# Altium PCB MP_PCBv2.PcbDoc (part 2 of 2)
Units mil, origin at the board's own origin, x right, y up, seen from the top; angles counter-clockwise.
Board outline 3645 x 2075 mil, 2 copper layers (Top Layer, Bottom Layer); 132 components, 125 nets, 476 pads, 163 vias.
Unrouted connection lines stored in the file: 10.
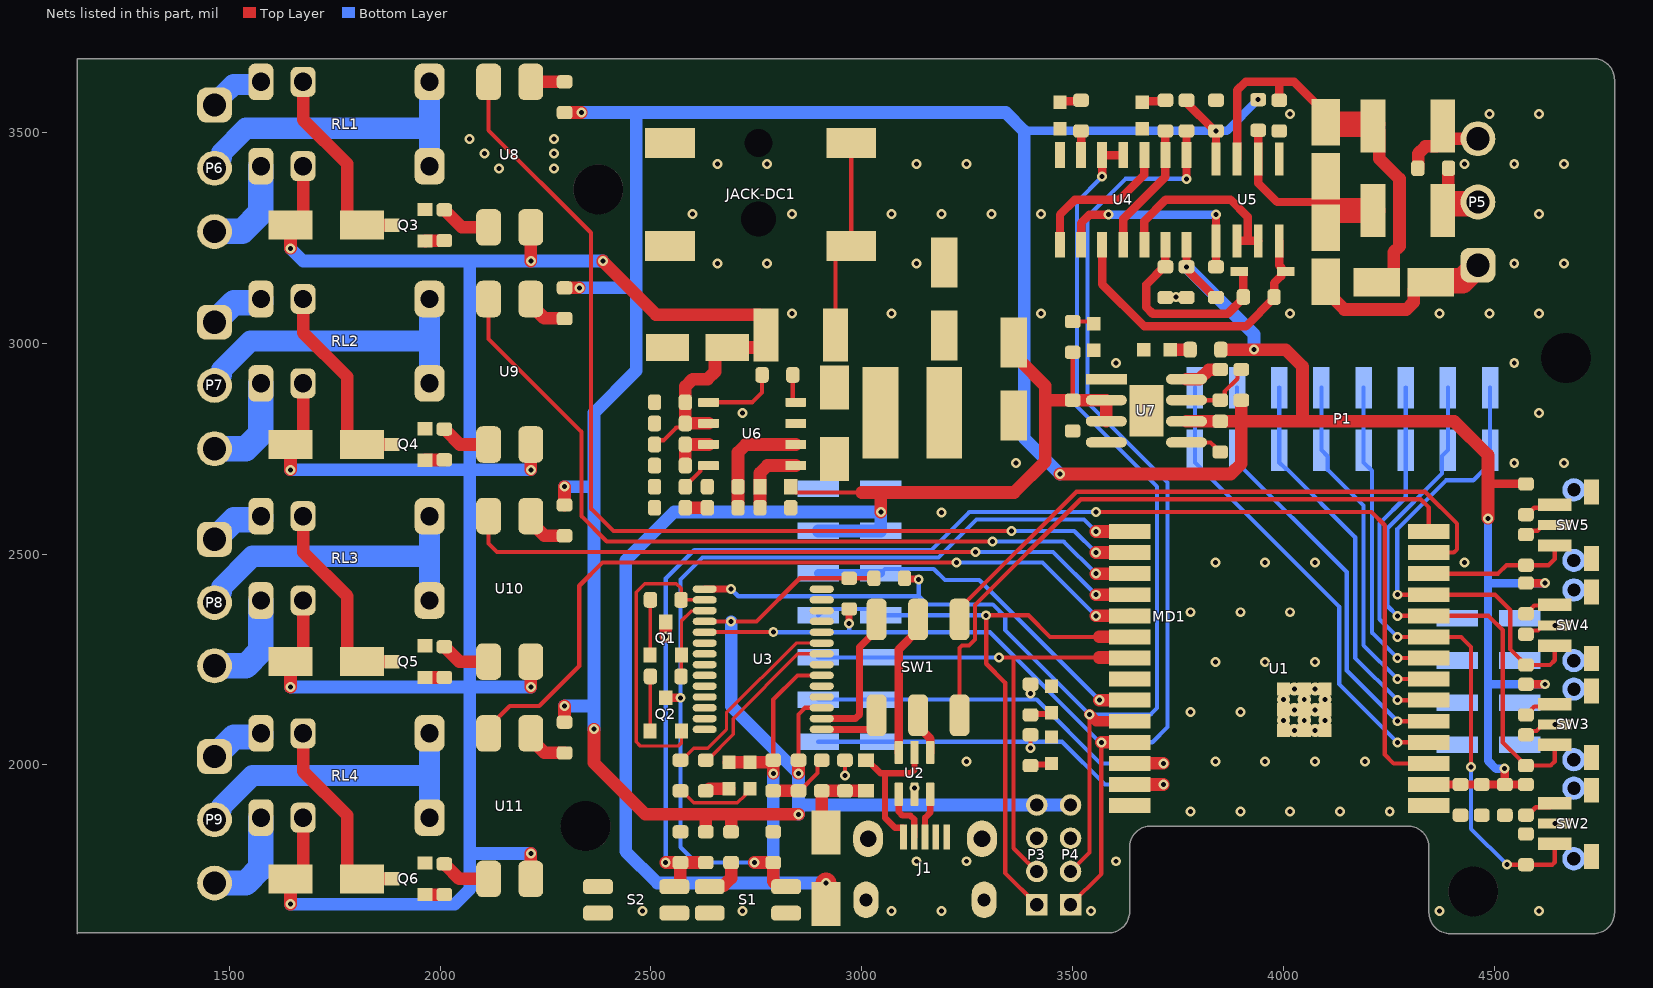
[diagram p2: the nets of this part, all layers, seen from the top]

## Part data (continued)
U2: library part CMP-004-00055-2, "17V Clamp 5A (8/20Âµs) Ipp Tvs Diode Surface Mount SOT-23-6"
U3: library part CMP-015-00000-6, "USB UART IC, -0.5 to 6 V, 24 mA, -40 to 85 degC, 28-Pin SSOP, RoHS, Tape and Reel", Case/Package=SSOP, Manufacturer="Future Technology Devices International (FTDI)", Max Operating Temperature=85°C, Max Supply Voltage=5.25V, Min Operating Temperature=-40°C, Min Supply Voltage=3.3V, Nominal Supply Voltage=5V, Package Quantity=2000, Channels=1, Data Rate=3Mbps, Datasheet URL=http://datasheet.octopart.com/FT232RL-FTDI-datasheet-120501.pdf, Datasheet Version="Rev. 1.04, 02/2006", Interface=UART, Locally Supplier Name=Thegioiic, Locally Supplier URL=https://www.thegioiic.com/ft232rl-ic-usb-to-serial-uart-28-ssop, Manufacturer URL=http://www.ftdichip.com/, Packaging=TapeandReel, Pins=16, RoHS Compliant=True
U4: library part CMP-016-00018-2, "Inverter, 4000/14000/40000 Series, 6-Func, 1-Input, CMOS, PDSO14", Case/Package=SOP, Max Operating Temperature=125°C, Max Supply Voltage=18V, Min Operating Temperature=-55°C, Min Supply Voltage=3V, Nominal Supply Voltage=5V, Logic Type=INVERTER, Pins=14, RoHS Compliant=Yes
U5: library part CMP-015-00010-1, "Line Transceiver, 1 Func, 1 Driver, 1 Rcvr, CMOS, PDSO8", Case/Package=SOP, Max Operating Temperature=70°C, Max Supply Voltage=5.25V, Min Operating Temperature=0°C, Min Supply Voltage=4.75V, Nominal Supply Voltage=5V, Pins=8, RoHS Compliant=Yes
U6: library part CMP-019-00051-4, "Switching Regulator, Current-mode, 2A, 570kHz Switching Freq-Max, PDSO8", Case/Package=SOP, Frequency=740kHz, Max Operating Temperature=150°C, Max Supply Voltage=28V, Min Operating Temperature=-40°C, Locally Supplier Name=Thegioiic, Locally Supplier URL=https://www.thegioiic.com/tps54231dr-ic-dieu-chinh-giam-ap-2a-8-soic, Pins=8, RoHS Compliant=Yes
U7: library part CMP-019-00056-2, "Adjustable Positive LDO Regulator, 0.5V Min, 5V Max, 0.6V Dropout, CMOS, PDSO8", Case/Package=HLSOP, Pins=8, RoHS Compliant=Yes
U8 U9 U10 U11: library part CMP-00026-00001-2, "PC817 series, SMD, I_F (max) = 500mA, V_F (max) = 1.4V."

## Via types
v1: diameter 23.62, hole 11.81, Top Layer to Bottom Layer, tented both sides, 151 vias
v2: diameter 31.5, hole 11.81, Top Layer to Bottom Layer, tented both sides, 12 vias

## Nets (pads, with @x,y where several pads share a name; then routed paths per layer and width w, separated by ;. In a path a pad name is that pad's centre, name@x,y a point inside that pad or via, vN(x,y) a via of type N, cw(c..) or ccw(c..) an arc to the next point about the centre after c; other vN are vias at no path point)
3V3: C1.2 C2.2 C3.2 C10.2 C11.2 C12.2 C24.2 P3.4 P4.4 R1.2 R2.2 R5.2 R6.2 R10.1 R11.1 R13.1 R23.2 R25.2 R26.1 R27.1 R29.1 R30.1 R31.1 R33.1 R34.1 R38.1 U1.2 U3.4 U3.17 U4.14 U5.8 U7.6 | length 10718.9
  Top Layer w10: U3.4@2627.44,2340.31 2627.6,2340.16 2689.84,2340.16 v1(2690,2340) 2750,2340 2852.83,2442.83 R6.2@2970,2442.83 3020.75,2442.83 R5.2@3028.58,2435 ; C10.2@2850,2011.42 2850,2120 2865.59,2135.59 U3.17@2905,2135.59
  Top Layer w20: U4.14@3770,3233.7 v1(3770,3181.42) 3772.95,3181.42 3772.95,3172.68 3831.3,3114.33 3834.25,3114.33 R11.1@3840,3108.58 ; R13.1@3770,3576.42 3772.95,3576.42 3772.95,3567.68 3831.3,3509.33 3837.05,3503.58 v1(3840,3503.58) U5.8@3840,3437.05 ; U1.2@4344.65,1953.7 C3.2@4420,1953.7 C2.2@4470,1953.7 C1.2@4525,1953.7 ; 4485,2670 4488.58,2666.42 R33.1@4575,2666.42 ; v1(4524.08,1991.31) 4524.54,1990.85 4524.54,1954.16 C1.2@4525,1953.7 ; R27.1@4575,1953.7 C1.2@4525,1953.7 ; R29.1@4575,2191.42 v1(4620,2191.42) ; R31.1@4575,2431.42 v1(4620,2431.42)
  Top Layer w30: R38.1@2295,2101.42 v1(2295,2140) ; R34.1@2295,2616.42 v1(2295,2660) ; R30.1@2295,3131.42 v1(2330,3131.42) ; R26.1@2295,3547.17 v1(2335,3547.17) ; v1(2365,2085) 2365,2005 2487,1883 2630,1883 ; R2.2@2630,1841.42 2630,1883 ; R1.2@2690,1841.42 2690,1883 ; v1(2850,1883) 2690,1883 ; v1(2850,1980) C10.2@2850,2011.42 ; v1(3470,2690) 3875,2690 3900,2715 3900,2815 ; U7.6@3770.12,2815 C24.2@3850,2815 3900,2815 ; R25.2@3851.42,2985 v1(3930,2985) 4005,2985 4045,2945 4045,2815 ; R23.2@3900,2865 3900,2817.5 ; v1(4485,2585) 4485,2670 4485,2735 4405,2815 4045,2815 ; 2630,1883 2690,1883 ; 3900,2815 3900,2817.5 ; 3900,2817.5 3902.5,2815 4045,2815
  Bottom Layer w20: 3385,3503.58 v1(3840,3503.58) 3865.75,3503.58 v1(3940,3577.83) ; v1(4485,2585) 4485,2430 ; v1@4524.32,1990.68 4504.32,1990.68 4485,2010 4485,2190 ; v1(4620,2191.42) 4486.42,2191.42 4485,2190 ; v1(4620,2431.42) 4486.42,2431.42 4485,2430 ; 4485,2190 4485,2430
  Bottom Layer w30: v1(2295,2140) 2365,2140 ; v1(2295,2660) 2365,2660 ; v1(2330,3131.42) 2465,3131.42 ; v1(2335,3547.17) 2465,3547.17 ; v1(2365,2085) 2365,2140 ; v1(2690,2340) 2690,2140 v1(2850,1980) 2850,1905 ; v1(2850,1883) 2850,1905 ; v1(3470,2690) 3385,2775 3385,3503.58 3341.42,3547.17 2465,3547.17 ; P4.4@3495,1905 P3.4@3415,1905 2850,1905 ; v1(3770,3181.42) 3930,3021.42 v1(3930,2985) ; 2365,2140 2365,2660 ; 2365,2660 2365,2835 2465,2935 2465,3131.42 ; 2465,3131.42 2465,3547.17
5V: C9.2 C17.1 C18.1 C23.2 D1.1 D2.2 D3.2 L1.2 MD1.6 R17.2 R18.2 U3.20 U7.2 U7.3 | length 4081.2
  Top Layer w10: C9.2@2790,2011.42 2790,2155 2847.36,2212.36 U3.20@2905,2212.36 ; R17.2@2831.42,2660 2841.42,2650 2841.42,2647.05 2842.17,2646.3 3000,2646.3 ; C23.2@3500,2865 R18.2@3500,2978.58
  Top Layer w30: D3.2@2685,2006.5 D2.2@2735,2006.5 2782.13,2006.5 2787.05,2011.42 C9.2@2790,2011.42 v1(2790,1980) ; 3000,2646.3 3045,2646.3 ; v1(3045,2600) 3045,2646.3 ; C17.1@3360,3001.61 3360,2976.5 3376.5,2960 3376.5,2957.56 3435,2899.06 3435,2865 ; U7.3@3579.88,2815 U7.2@3579.88,2865 C23.2@3500,2865 3435,2865 ; 3045,2646.3 3361.3,2646.3 3435,2720 3435,2865
  Top Layer w50: D1.1@2915,1670.35 v1(2915,1720)
  Bottom Layer w30: v1(2790,1980) 2790,1720 ; MD1.6@2896.89,2555 MD1.6@3045,2555 v1(3045,2600) 2555,2600 2440,2485 2440,1795 2515,1720 2790,1720 ; v1(2915,1720) 2790,1720
5V_USB: FB1.1 J1.1 U2.5 | length 352.8
  Top Layer w15: FB1.1@3010,2011.42 3012.95,2011.42 3044.37,1980 3055,1980 ; J1.1@3098.82,1829.17 3098.82,1850.83 3098.44,1851.2 3078.8,1851.2 3055,1875 3055,1980 ; U2.5@3125,2029.41 3125,1988.79 3116.21,1980 3055,1980
12V: C14.1 C15.1 C21.2 D13.2 D14.2 D15.2 D18.2 F3.2 R19.2 RL1.1 RL2.1 RL3.1 RL4.1 U6.2 U8.4 U9.4 U10.4 U11.4 | length 6130.5
  Top Layer w10: R19.2@2508.58,2760 2518.4,2769.82 2529.82,2769.82 2560.18,2800.18 2571.6,2800.18 C21.2@2581.42,2810
  Top Layer w30: v1(1645,1670) 1645,1729.65 D18.2@1645.35,1730 D18.2@1655.55,1730 ; v1(1645,2185) D15.2@1645,2244.65 ; v1(1645,2700) 1645,2759.65 D14.2@1645.35,2760 D14.2@1655.55,2760 ; v1(1645,3225) D13.2@1645,3279.65 ; D15.2@1645.35,2245 D15.2@1655.55,2245 ; D13.2@1645.35,3280 D13.2@1655.55,3280 ; D18.2@1663.07,1730 D18.2@1655.55,1730 ; D15.2@1663.07,2245 D15.2@1655.55,2245 ; D14.2@1663.07,2760 D14.2@1655.55,2760 ; D13.2@1663.07,3280 D13.2@1655.55,3280 ; RL4.1@1675,1875 1675,1749.45 D18.2@1655.55,1730 ; RL3.1@1675,2390 1675,2264.45 D15.2@1655.55,2245 ; RL2.1@1675,2905 1675,2779.45 D14.2@1655.55,2760 ; RL1.1@1675,3420 1675,3299.45 D13.2@1655.55,3280 ; U11.4@2215,1730 v1(2215,1790) ; v1(2215,2185) U10.4@2215,2245 ; v1(2215,2700) U9.4@2215,2760 ; v1(2215,3195) U8.4@2215,3275 ; v1(2386,3195) 2386,3194 2512.01,3067.99 2757.8,3067.99 2772.32,3053.46 F3.2@2772.32,3020 2772.32,3004.53 2757.8,2990 C14.1@2680.87,2990 2668.47,2990 2651.98,2973.5 2651.98,2932.57 2634.4,2915 2598.99,2915 2581.42,2897.43 C15.1@2581.42,2860 C21.2@2581.42,2810 U6.2@2636.65,2810
  Bottom Layer w30: v1(1645,1670) 2035,1670 2070,1705 2070,1790 ; v1(1645,2185) 2070,2185 ; v1(1645,2700) 2070,2700 ; v1(1645,3225) 1675,3195 2070,3195 ; v1(2215,1790) 2070,1790 ; v1(2215,2185) 2070,2185 ; v1(2215,2700) 2070,2700 ; v1(2386,3195) v1(2215,3195) 2070,3195 ; 2070,1790 2070,2185 ; 2070,2185 2070,2700 ; 2070,2700 2070,3195
E32_AUX: MD1.5 U1.23 | length 871.4
  Top Layer w30: v1(3563.14,2153.7) U1.23@3635.35,2153.7
  Bottom Layer w10: MD1.5@3045,2455 3054.81,2464.81 3170.62,2464.81 3197.05,2438.38 3278.46,2438.38 v1(3563.14,2153.7)
  Bottom Layer w20: MD1.5@2896.89,2455 MD1.5@3045,2455
E32_M0: MD1.1 R36.1 U1.27 | length 986.1
  Top Layer w10: v1(3400,2040) R36.1@3400,2071.42
  Top Layer w30: U1.27@3635.35,1953.7 v1(3715,1953.7)
  Bottom Layer w10: MD1.1@2896.89,2055 MD1.1@3045,2055 3400,2055 ; v1(3400,2040) 3400,2055 ; v1(3715,1953.7) 3576.3,1953.7 3475,2055 3400,2055
E32_M1: MD1.2 R37.1 U1.26 | length 996.8
  Top Layer w10: v1(3400,2170) R37.1@3400,2191.42
  Top Layer w30: U1.26@3635.35,2003.7 v1(3715,2003.7)
  Bottom Layer w10: MD1.2@2896.89,2155 MD1.2@3045,2155 3400,2155 ; v1(3400,2170) 3400,2155 ; v1(3715,2003.7) 3566.3,2003.7 3415,2155 3400,2155
E32_RXD: MD1.3 P3.2 U1.21 | length 1269.3
  Top Layer w10: v1(3325,2255) 3360,2255 ; P3.2@3415,1747.52 3360,1802.52 3360,2255 ; 3563.14,2255 3360,2255
  Top Layer w30: 3563.14,2255 3634.06,2255 U1.21@3635.35,2253.7
  Bottom Layer w10: MD1.3@2896.89,2255 MD1.3@3045,2255 v1(3325,2255)
E32_TXD: MD1.4 P3.1 U1.20 | length 1507.8
  Top Layer w10: P3.1@3415,1668.78 3340,1743.78 3340,2195 3295,2240 v1(3295,2355) 3395,2355 3446.3,2303.7 3563.14,2303.7
  Top Layer w30: 3563.14,2303.7 U1.20@3635.35,2303.7
  Bottom Layer w10: MD1.4@2896.89,2355 2911.57,2369.69 3030.31,2369.69 MD1.4@3045,2355 v1(3295,2355)
ESP_BOOT: C4.1 Q2.3 R1.1 S1.1 S1.2 U1.15 | length 2216.9
  Top Layer w20: Q2.3@2535,2159.37 v1(2570,2159.37)
  Top Layer w30: S1.1@2639.45,1711.5 2642.17,1714.21 2672.43,1714.21 2690,1731.79 R1.1@2690,1768.58 ; v1(2745,1768.58) C4.1@2790,1768.58 2790,1724.33 2802.83,1711.5 S1.2@2820.55,1711.5 ; v1(3555,2553.7) U1.15@3635.35,2553.7
  Bottom Layer w10: v1(2745,1768.58) 2606.42,1768.58 2570,1805 v1(2570,2159.37) 2570,2440 2622,2492 3182,2492 3272,2582 3526.7,2582 v1(3555,2553.7)
ESP_EN: C5.2 Q1.3 R2.1 S2.3 S2.4 U1.3 | length 3313.4
  Top Layer w10: v1(3555,2600) 4208.49,2600 4240,2568.49 4240,2025 4261.3,2003.7 U1.3@4344.65,2003.7
  Top Layer w30: v1(2535,1768.58) C5.2@2570,1768.58 ; v1(2535,2305) Q1.3@2535,2339.37 ; S2.4@2555.55,1711.5 2567.09,1711.5 2569.81,1714.21 2569.81,1768.39 C5.2@2570,1768.58 ; R2.1@2630,1768.58 C5.2@2570,1768.58
  Bottom Layer w10: v1(2535,1768.58) v1(2535,2305) 2535,2442.5 2602.5,2510 3165,2510 3255,2600 v1(3555,2600)
ESP_IO0: P1.5 U1.8 | length 749.1
  Top Layer w10: v1(4270,2253.7) U1.8@4344.65,2253.7
  Bottom Layer w10: P1.5@4190,2895 P1.5@4190,2746.89 4190,2717.36 4209.69,2697.68 4209.69,2655.31 4210,2655 4210,2313.7 v1(4270,2253.7)
ESP_IO1: C25.2 P1.6 R27.2 SW2.1 SW2.3 U1.9 | length 1610.5
  Top Layer w10: v1(4270,2303.7) U1.9@4344.65,2303.7 4421.3,2303.7 4445,2280 v1(4445,1995) ; v1(4530,1763.58) C25.2@4575,1763.58 4637.53,1763.58 4643.39,1769.44 SW2.1@4643.39,1813.03 ; R27.2@4575,1880.87 4579.51,1880.87 4598.37,1899.72 4633.62,1899.72 SW2.3@4643.39,1909.49
  Bottom Layer w10: v1(4270,2303.7) 4228,2345.7 4228,2573 4290,2635 P1.6@4290,2746.89 P1.6@4290,2895 ; v1(4445,1995) 4445,1848.58 v1(4530,1763.58)
ESP_IO4: P1.1 U1.4 | length 1114.8
  Top Layer w10: v1(4270,2053.7) U1.4@4344.65,2053.7
  Bottom Layer w10: P1.1@3790,2895 P1.1@3790,2746.89 3790,2717.36 4132,2375.36 4132,2191.7 v1(4270,2053.7)
ESP_IO5: P1.2 U1.5 | length 1023.3
  Top Layer w10: v1(4270,2103.7) U1.5@4344.65,2103.7
  Bottom Layer w10: P1.2@3890,2895 P1.2@3890,2746.89 3890,2717.36 4150,2457.36 4150,2223.7 v1(4270,2103.7)
ESP_IO6: P1.3 U1.6 | length 933.5
  Top Layer w10: v1(4270,2153.7) U1.6@4344.65,2153.7
  Bottom Layer w10: P1.3@3990,2895 P1.3@3990,2746.89 3990,2717.36 4004.69,2702.68 4007.32,2702.68 4170,2540 4170,2253.7 v1(4270,2153.7)
ESP_IO7: P1.4 U1.7 | length 840.5
  Top Layer w10: v1(4270,2203.7) U1.7@4344.65,2203.7
  Bottom Layer w10: P1.4@4090,2895 P1.4@4090,2746.89 4104.69,2732.2 4104.69,2700.31 4190,2615 4190,2283.7 v1(4270,2203.7)
ESP_IO8: C26.2 P1.7 R29.2 SW3.1 SW3.3 U1.10 | length 1411.9
  Top Layer w10: v1(4270,2353.7) U1.10@4344.65,2353.7 4486.3,2353.7 4520,2320 4520,2053.58 4563.07,2010.51 4563.07,2009.11 4573.6,1998.58 C26.2@4575,1998.58 4633.58,1998.58 4643.39,2008.39 SW3.1@4643.39,2048.03 ; R29.2@4575,2118.58 4576.4,2118.58 4588.7,2130.89 4588.7,2132.28 4594.87,2138.46 4637.35,2138.46 SW3.3@4643.39,2144.49
  Bottom Layer w10: v1(4270,2353.7) 4246,2377.7 4246,2561 4375.89,2690.89 4375.89,2732.78 P1.7@4390,2746.89 P1.7@4390,2895
ESP_IO10: C27.2 P1.8 R31.2 SW4.1 SW4.3 U1.11 | length 1234.5
  Top Layer w10: v1(4270.81,2403.7) U1.11@4344.65,2403.7 4501.3,2403.7 4538,2367 4538,2274.17 4561.3,2250.87 4561.3,2249.47 4573.6,2237.17 C27.2@4575,2237.17 4632.17,2237.17 4643.39,2248.39 SW4.1@4643.39,2283.03 ; R31.2@4575,2358.58 4576.4,2358.58 4588.7,2370.89 4588.7,2372.28 4594.87,2378.46 4642.35,2378.46 SW4.3@4643.39,2379.49
  Bottom Layer w10: v1(4270.81,2403.7) 4270,2404.51 4270,2559.54 4385.46,2675 4450,2675 4475.31,2700.31 4475.31,2732.2 P1.8@4490,2746.89 P1.8@4490,2895
ESP_IO11: C28.2 R33.2 SW5.1 SW5.3 U1.12 | length 423.3
  Top Layer w10: U1.12@4344.65,2453.7 4508.7,2453.7 4528.58,2473.58 C28.2@4575,2473.58 4628.58,2473.58 4643.39,2488.39 SW5.1@4643.39,2520.51 ; R33.2@4575,2593.58 4578.14,2593.58 4594.56,2610 4636.42,2610 SW5.3@4643.39,2616.97
ESP_IO12: SW1.3 U1.13 | length 1482.1
  Top Layer w10: SW1.3@3231.85,2345.24 3231.85,2370.83 3509.02,2648 4335.66,2648 4411.38,2572.28 4411.38,2511.38 4403.7,2503.7 U1.13@4344.65,2503.7
ESP_IO13: SW1.6 U1.14 | length 1530.7
  Top Layer w10: SW1.6@3231.85,2118.07 3231.85,2277.17 3237.71,2283.02 3253.94,2283.02 3268.47,2297.56 3268.47,2379.32 3519.16,2630 4325,2630 4344.65,2610.35 U1.14@4344.65,2553.7
ESP_IO18: U1.16 U8.2 | length 2433.3
  Top Layer w10: U8.2@2115,3620 2115,3505 2358,3262 2358,2607.86 2410.86,2555 v1(3355,2555)
  Top Layer w30: v1(3555,2503.7) U1.16@3635.35,2503.7
  Bottom Layer w10: v1(3355,2555) 3503.7,2555 v1(3555,2503.7)
ESP_IO19: U1.17 U9.2 | length 1962.9
  Top Layer w10: U9.2@2115,3105 2115,3010 2335,2790 2335,2590 2395,2530 v1(3310,2530)
  Top Layer w30: v1(3555,2453.7) U1.17@3635.35,2453.7
  Bottom Layer w10: v1(3310,2530) 3478.7,2530 v1(3555,2453.7)
ESP_IO20: U1.18 U10.2 | length 1635.6
  Top Layer w10: U10.2@2115,2590 2115,2525 2135,2505 v1(3270,2505)
  Top Layer w30: v1(3555,2403.7) U1.18@3635.35,2403.7
  Bottom Layer w10: v1(3270,2505) 3453.7,2505 v1(3555,2403.7)
ESP_IO21: U1.19 U11.2 | length 1860.5
  Top Layer w10: U11.2@2115,2075 2115,2090 2165,2140 2235,2140 2330,2235 2330,2425 2385,2480 v1(3225,2480)
  Top Layer w30: v1(3555,2353.7) U1.19@3635.35,2353.7
  Bottom Layer w10: v1(3225,2480) 3428.7,2480 v1(3555,2353.7)
FT232_DTR: Q2.2 R3.2 U3.2 | length 700.4
  Top Layer w8: Q2.2@2572.4,2080.63 2572.4,2052.4 2565,2045 2475,2045 2465,2055 2465,2410 2485,2430 2560,2430 2571.42,2418.58 R3.2@2571.42,2391.5 U3.2@2627.44,2391.5
FT232_RTS: Q1.2 R4.1 U3.3 | length 197.6
  Top Layer w8: R4.1@2571.42,2210 2571.42,2259.65 Q1.2@2572.4,2260.63 2572.4,2342.4 2595,2365 2626.54,2365 U3.3@2627.44,2365.91
FT232_RXD: P4.1 R6.1 R13.2 U1.25 U3.5 U4.1 | length 3421.7
  Top Layer w10: U3.5@2627.72,2315 v1(2790,2315) ; P4.1@3495,1668.78 3568,1741.78 v1(3568,2053.7)
  Top Layer w17: v1(2970,2335) R6.1@2970,2362.17
  Top Layer w20: v1(3770,3390) U4.1@3770,3446.3 R13.2@3770,3503.58
  Top Layer w30: v1(3568,2053.7) U1.25@3635.35,2053.7
  Bottom Layer w10: v1@2790.28,2314.72 2970,2314.72 ; v1(2970,2335) 2970,2314.72 ; v1@3565,2053.7 3303.98,2314.72 2970,2314.72 ; v1(3568,2053.7) 3688.7,2053.7 3725,2090 3725,2670 3535,2860 3535,3300 3625,3390 v1(3770,3390)
FT232_TXD: P4.2 R5.1 U1.24 U3.1 U4.4 U4.5 | length 3253.1
  Top Layer w10: P4.2@3495,1747.52 3540,1792.52 v1(3540,2120)
  Top Layer w17: U3.1@2627.44,2417.09 v1(2690,2417.09) ; R5.1@3101.42,2442.83 3102.98,2441.27 3133.73,2441.27 v1(3135,2440)
  Top Layer w20: v1@3569.98,3395.07 U4.5@3570,3446.3 U4.4@3620,3446.3
  Top Layer w25: v1(3540,2120) 3556.3,2103.7 U1.24@3635.35,2103.7
  Bottom Layer w10: v1(2690,2417.09) 2707.09,2400 3135,2400 ; v1(3135,2440) 3135,2400 ; v1(3569.96,3395.04) 3510,3335.09 3510,2850 3700,2660 3700,2135 3685,2120 v1(3540,2120) 3340,2320 3340,2351.39 3310.69,2380.69 3154.31,2380.69 3135,2400
FT232_USBDM: SW1.1 U3.16 | length 335.9
  Top Layer w17: U3.16@2905,2110 2984.88,2110 2994.88,2120 2994.88,2279.52 3035,2319.65 SW1.1@3035,2345.24
FT232_USBDP: SW1.4 U3.15 | length 155
  Top Layer w17: U3.15@2905,2084.41 3020.13,2084.41 3035,2099.28 SW1.4@3035,2118.07
GND: C1.1 C2.1 C3.1 C4.2 C5.1 C6.1 C7.2 C9.1 C10.1 C11.1 C12.1 C13.1 C14.2 C15.2 C17.2 C18.2 C20.1 C21.1 C22.1 C23.1 C24.1 C25.1 C26.1 C27.1 C28.1 D4.1 D8.1 D10.1 D11.1 D12.1 D16.1 D17.1 J1.5 J1.Shell JACK-DC1.2 JACK-DC1.3 MD1.7 P3.3 P4.3 Q3.2 Q4.2 Q5.2 Q6.2 R14.2 R20.1 R21.1 R22.1 R24.1 S1.3 S1.4 S2.1 S2.2 SW2.2 SW2.6 SW2.7 SW3.2 SW3.6 SW3.7 SW4.2 SW4.6 SW4.7 SW5.2 SW5.6 SW5.7 U1.1 U1.28 U2.2 U3.7 U3.18 U3.21 U3.25 U3.26 U4.7 U5.5 U6.7 U7.1 U7.4 U7.5 U7.8 U7.9 | length 606.8
  Top Layer w10: C10.1@2850,1938.58 2852.95,1938.58 2895.04,1980.67 2895.04,2001.46 C6.1@2905,2011.42 ; v1(2960,1975) C7.2@2960,2011.42 ; U7.5@3770.12,2765 3827.17,2765 3838.07,2754.09 3838.07,2752.69 3848.6,2742.17 C24.1@3850,2742.17 ; C26.1@4575,2071.42 4583.97,2080.39 4599.96,2080.39 4615.83,2096.26 v1(4643.39,2096.26) ; C27.1@4575,2310 4583.97,2318.97 4603.54,2318.97 4615.83,2331.26 v1(4643.39,2331.26) ; C28.1@4575,2546.42 4583.97,2555.39 4602.48,2555.39 4615.83,2568.74 SW5.2@4643.39,2568.74
  Top Layer w30: C9.1@2790,1938.58 C10.1@2850,1938.58 ; U7.8@3770.12,2915 3801.07,2915 3823.16,2937.09 3849.25,2937.09 R24.1@3850,2937.83
  other v1: 2480.31,1653.54 2716.53,1653.54 3070.87,1653.54 3188.98,1653.54 3543.31,1653.54 4370.08,1653.54 4606.3,1653.54 3129.92,1771.65 3248.03,1771.65 3602.36,1771.65 4643.39,1861.26 3779.53,1889.76 3897.64,1889.76 4015.75,1889.76 4133.86,1889.76 4251.97,1889.76 3125,1945 3248.03,2007.87 3838.58,2007.87 3956.69,2007.87 4074.8,2007.87 4192.91,2007.87 3779.53,2125.98 3897.64,2125.98 3838.58,2244.09 3956.69,2244.09 4074.8,2244.09 3779.53,2362.2 3897.64,2362.2 4015.75,2362.2 3838.58,2480.31 3956.69,2480.31 4074.8,2480.31 4429.13,2480.31 3188.98,2598.42 3366.14,2716.53 4547.24,2716.53 4665.35,2716.53 2716.53,2834.64 4606.3,2834.64 3602.36,2952.76 4547.24,2952.76 2834.64,3070.87 3070.87,3070.87 3425.2,3070.87 4015.75,3070.87 4370.08,3070.87 4488.19,3070.87 4606.3,3070.87 3745,3110 2657.48,3188.98 2775.59,3188.98 3129.92,3188.98 4547.24,3188.98 4665.35,3188.98 2598.42,3307.09 2834.64,3307.09 3070.87,3307.09 3188.98,3307.09 3307.09,3307.09 3425.2,3307.09 4606.3,3307.09 2140,3415 2270,3415 2657.48,3425.2 2775.59,3425.2 3129.92,3425.2 3248.03,3425.2 4429.13,3425.2 4547.24,3425.2 4665.35,3425.2 2105,3450 2270,3450 2070,3485 2270,3485 4015.75,3543.31 4488.19,3543.31 4606.3,3543.31
  other v2: 4025.79,2081.57 4075,2081.57 4000,2105.79 4049.21,2105.79 4098.43,2105.79 4025.79,2130.79 4075,2130.79 4000,2155 4049.21,2155 4098.43,2155 4025.79,2180 4075,2180
MICRO_B_D+: SW1.5 U2.4 | length 100.7
  Top Layer w20: SW1.5@3133.43,2118.07 3133.43,2091.5 3162.24,2062.68 3162.24,2029.57 U2.4@3162.4,2029.41
MICRO_B_D-: SW1.2 U2.6 | length 334.8
  Top Layer w20: U2.6@3087.6,2029.41 3087.6,2273.82 3133.43,2319.65 SW1.2@3133.43,2345.24
NetC6_2: C6.2 C7.1 D1.2 FB1.2 | length 208.1
  Top Layer w30: D1.2@2915,1839.65 2905,1849.65 C6.2@2905,1938.58 C7.1@2960,1938.58 FB1.2@3010,1938.58
NetC13_2: C13.2 D9.1 R16.1 U4.13 | length 493
  Top Layer w20: U4.13@3720,3233.7 C13.2@3720,3181.42 3717.05,3181.42 3675,3139.37 3675,3085 3690,3070 3867.83,3070 3904.88,3107.05 R16.1@3904.88,3110 3904.88,3169.17 3904.06,3170 D9.1@3894.88,3170
NetC16_1: C16.1 U6.1 | length 178.1
  Top Layer w10: U6.1@2636.65,2860 2740,2860 2763.58,2883.58 C16.1@2763.58,2925
NetC16_2: C16.2 D10.2 L1.1 U6.8 | length 68.5
  Top Layer w10: C16.2@2836.42,2925 2836.42,2865.83 2842.24,2860 U6.8@2843.35,2860
NetC19_1: C19.1 R22.2 | length 52.2
  Top Layer w30: R22.2@2581.42,2610 C19.1@2633.58,2610
NetC19_2: C19.2 C20.2 U6.6 | length 276
  Top Layer w30: C19.2@2706.42,2610 C20.2@2706.42,2660 2706.42,2741.42 2725,2760 U6.6@2843.35,2760
NetC22_2: C22.2 U6.4 | length 81
  Top Layer w10: C22.2@2581.42,2660 2581.42,2661.78 2617.05,2697.41 2617.05,2704.17 2622.87,2710 U6.4@2636.65,2710
NetD2_1: D2.1 R7.1 | length 192.8
  Top Layer w8: R7.1@2570,1938.58 2572.95,1938.58 2601.54,1910 2705,1910 2723.25,1928.25 2723.25,1931.76 D2.1@2735,1943.5
NetD3_1: D3.1 R8.1 | length 57
  Top Layer w30: R8.1@2630,1938.58 2632.95,1938.58 2637.87,1943.5 D3.1@2685,1943.5
NetD4_2: D4.2 R9.2 | length 52
  Top Layer w20: D4.2@3470,3571.5 3472.46,3573.96 3517.54,3573.96 R9.2@3520,3576.42
NetD5_2: D5.2 D6.1 F1.1 R10.2 U5.6 | length 424.2
  Top Layer w20: R10.2@3940,3505 U5.6@3940,3437.05 3940,3380 3985,3335 4100,3335
  Top Layer w60: 4100,3335 4120,3315 F1.1@4212.32,3315
NetD6_2: D6.2 D7.1 F2.1 R14.1 U5.7 | length 1054.7
  Top Layer w20: U5.7@3890,3437.05 3890,3600 3910,3620 3990,3620 ; R14.1@3990,3576.42 3990,3620 ; D6.2@4080.63,3503.58 4100,3522.95 D6.2@4100,3523.98 4100,3545.63 4025.63,3620 3990,3620
  Top Layer w30: F2.1@4211.85,3519.49 4226.85,3504.49 4226.85,3438.15 4275,3390 4275,3230 4261.14,3216.14 4261.14,3163.46 4242.68,3145 D7.1@4221.02,3145
  Top Layer w60: D6.2@4100,3522.95 4103.46,3519.49 F2.1@4211.85,3519.49
NetD8_2: D8.2 R15.2 | length 57
  Top Layer w20: D8.2@3665,3571.5 3667.46,3573.96 3717.54,3573.96 R15.2@3720,3576.42
NetD9_2: D9.2 R16.2 U4.10 U5.4 | length 725.8
  Top Layer w20: U4.10@3570,3233.7 3570,3140 3670,3040 3910.67,3040 3977.72,3107.05 R16.2@3977.72,3110 3977.72,3142.6 3994.45,3159.33 3994.45,3169.17 D9.2@3995.28,3170 ; U5.4@3990,3242.95 3990,3185.12 3994.45,3180.67 3994.45,3170.83 D9.2@3995.28,3170 ; D9.2@4005.12,3170 D9.2@3995.28,3170
NetD11_2: D11.2 R18.1 | length 53.1
  Top Layer w10: R18.1@3500,3051.42 3545.08,3051.42 D11.2@3550,3046.5
  Top Layer w30: R18.1@3500,3051.42 R18.1@3500.75,3050.67
NetD12_2: D12.2 R25.1 | length 47.1
  Top Layer w30: D12.2@3731.5,2985 R25.1@3778.58,2985
NetD13_1: D13.1 Q3.3 RL1.2 | length 477.7
  Top Layer w30: RL1.2@1675,3620 1675,3530 1780,3425 1780,3299.45 1799.45,3280 D13.1@1814.65,3280 Q3.3@1885.63,3280
NetD14_1: D14.1 Q4.3 RL2.2 | length 482.7
  Top Layer w30: RL2.2@1675,3105 1675,3025 1780,2920 1780,2779.45 1799.45,2760 D14.1@1814.65,2760 Q4.3@1885.63,2760
NetD15_1: D15.1 Q5.3 RL3.2 | length 482.7
  Top Layer w30: RL3.2@1675,2590 1675,2505 1780,2400 1780,2264.45 1799.45,2245 D15.1@1814.65,2245 Q5.3@1885.63,2245
NetD16_2: D16.2 R36.2 | length 52
  Top Layer w15: R36.2@3400,1998.58 3402.46,2001.04 3447.54,2001.04 D16.2@3450,2003.5
NetD17_2: D17.2 R37.2 | length 52
  Top Layer w15: R37.2@3400,2118.58 3402.46,2121.04 3447.54,2121.04 D17.2@3450,2123.5
NetD18_1: D18.1 Q6.3 RL4.2 | length 482.7
  Top Layer w30: RL4.2@1675,2075 1675,1985 1780,1880 1780,1749.45 1799.45,1730 D18.1@1814.65,1730 Q6.3@1885.63,1730
NetF3_1: F3.1 JACK-DC1.1 | length 474.5
  Top Layer w10: F3.1@2937.68,3020 2937.68,3200.47 2968.11,3230.91 JACK-DC1.1@2975,3230.91 JACK-DC1.1@2975,3475
NetJ1_2: J1.2 U2.1 | length 127.6
  Top Layer w15: U2.1@3087.6,1930.59 3087.6,1888.79 3096.39,1880 3115,1880 3124.04,1870.96 3124.04,1829.55 J1.2@3124.41,1829.17
NetJ1_3: J1.3 U2.3 | length 106.6
  Top Layer w15: J1.3@3150,1829.17 3150,1875 3162.4,1887.4 U2.3@3162.4,1930.59
NetJ1_4: J1.4
NetMD1_8: MD1.8
NetMD1_9: MD1.9
NetMD1_10: MD1.10
NetMD1_11: MD1.11
NetP6_1: P6.1 RL1.3 | length 135.6
  Bottom Layer w50: P6.1@1465,3565 1481.34,3581.34 1481.34,3584.83 1510.63,3614.12 1570.47,3614.12 1575,3618.65 RL1.3@1575,3620
NetP6_2: P6.2 RL1.4 | length 761.1
  Bottom Layer w50: P6.2@1465,3415 1465,3423.84 1481.34,3440.18 1481.34,3451.34 1540,3510 1975,3510 ; RL1.4@1975,3420 1975,3510 ; RL1.4@1975,3620 1975,3510
NetP6_3: P6.3 RL1.5 | length 238.6
  Bottom Layer w60: P6.3@1465,3265 1465.37,3265.37 1530.37,3265.37 1574.53,3309.53 1574.53,3419.53 RL1.5@1575,3420
NetP7_1: P7.1 RL2.3 | length 137.6
  Bottom Layer w60: P7.1@1465,3050 1511.38,3096.38 1574.53,3096.38 1575,3096.85 RL2.3@1575,3105
NetP7_2: P7.2 RL2.4 | length 765.2
  Bottom Layer w50: P7.2@1465,2900 1465,2908.84 1481.34,2925.18 1481.34,2936.34 1550,3005 1975,3005 ; RL2.4@1975,2905 1975,3005 ; RL2.4@1975,3105 1975,3005
NetP7_3: P7.3 RL2.5 | length 244.1
  Bottom Layer w60: P7.3@1465,2750 1539.38,2750 1574.53,2785.15 1574.53,2904.53 RL2.5@1575,2905
NetP8_1: P8.1 RL3.3 | length 137.6
  Bottom Layer w60: P8.1@1465,2535 1511.38,2581.38 1574.53,2581.38 1575,2581.85 RL3.3@1575,2590
NetP8_2: P8.2 RL3.4 | length 767.3
  Bottom Layer w50: P8.2@1465,2385 1465,2393.84 1481.34,2410.18 1481.34,2421.34 1555,2495 1975,2495 ; RL3.4@1975,2390 1975,2495 ; RL3.4@1975,2590 1975,2495
NetP8_3: P8.3 RL3.5 | length 244.1
  Bottom Layer w60: P8.3@1465,2235 1539.38,2235 1574.53,2270.15 1574.53,2389.53 RL3.5@1575,2390
NetP9_1: P9.1 RL4.3 | length 137.6
  Bottom Layer w60: P9.1@1465,2020 1511.38,2066.38 1574.53,2066.38 1575,2066.85 RL4.3@1575,2075
NetP9_2: P9.2 RL4.4 | length 762.3
  Bottom Layer w50: P9.2@1465,1870 1465,1878.84 1481.34,1895.18 1481.34,1901.34 1555,1975 1975,1975 ; RL4.4@1975,1875 1975,1975 ; RL4.4@1975,2075 1975,1975
NetP9_3: P9.3 RL4.5 | length 244.1
  Bottom Layer w60: P9.3@1465,1720 1539.38,1720 1574.53,1755.15 1574.53,1874.53 RL4.5@1575,1875
NetQ1_1: Q1.1 R3.1 | length 131.3
  Top Layer w8: Q1.1@2497.6,2260.63 2498.58,2261.61 R3.1@2498.58,2391.5
NetQ2_1: Q2.1 R4.2 | length 129.8
  Top Layer w8: Q2.1@2497.6,2080.63 2498.58,2081.61 R4.2@2498.58,2210
NetQ3_1: Q3.1 R28.1 | length 46
  Top Layer w30: Q3.1@1964.37,3242.6 1964.86,3243.09 2009.51,3243.09 R28.1@2010,3243.58
NetQ4_1: Q4.1 R32.1 | length 46
  Top Layer w30: Q4.1@1964.37,2722.6 1964.86,2723.09 2009.51,2723.09 R32.1@2010,2723.58
NetQ5_1: Q5.1 R35.1 | length 45.6
  Top Layer w30: Q5.1@1964.37,2207.6 R35.1@2010,2207.6
NetQ6_1: Q6.1 R39.1 | length 45.6
  Top Layer w30: Q6.1@1964.37,1692.6 R39.1@2010,1692.6
NetR7_2: R7.2 U3.23 | length 473.5
  Top Layer w8: R7.2@2570,2011.42 2572.95,2011.42 2601.54,2040 2635,2040 2679,2084 2679,2124 2844.13,2289.13 U3.23@2905,2289.13
NetR8_2: R8.2 U3.22 | length 401.5
  Top Layer w8: R8.2@2630,2011.42 2634.04,2011.42 2695,2072.37 2695,2110 2848.54,2263.54 U3.22@2905,2263.54
NetR9_1: R9.1 U4.6 | length 57.3
  Top Layer w20: U4.6@3520,3446.3 R9.1@3520,3503.58
NetR11_2: R11.2 U4.9 U5.1 | length 503.2
  Top Layer w20: U4.9@3520,3233.7 3520,3285 3539.31,3304.31 3584.31,3304.31 v1(3585,3305) ; R11.2@3840,3181.42 U5.1@3840,3242.95 v1(3840,3305)
  Bottom Layer w20: v1(3585,3305) v1(3840,3305)
NetR15_1: R15.1 U4.2 U4.11 | length 311.3
  Top Layer w20: U4.11@3620,3233.7 3620,3295 3720,3395 U4.2@3720,3446.3 R15.1@3720,3503.58
NetR17_1: R17.1 R21.2 U6.5 | length 174.5
  Top Layer w30: R21.2@2758.58,2610 R17.1@2758.58,2660 2758.58,2692.43 2776.16,2710 U6.5@2843.35,2710
NetR19_1: R19.1 R20.2 U6.3 | length 105.2
  Top Layer w30: R20.2@2581.42,2710 R19.1@2581.42,2760 U6.3@2636.65,2760
NetR23_1: R23.1 R24.2 U7.7 | length 173.4
  Top Layer w10: U7.7@3770.12,2865 R24.2@3850,2865 3860.52,2875.52 3860.52,2885.52 3890.89,2915.89 3890.89,2928.73 R23.1@3900,2937.83
NetR26_2: R26.2 U8.1 | length 80
  Top Layer w30: U8.1@2215,3620 R26.2@2295,3620
NetR28_2: R28.2 U8.3 | length 123.9
  Top Layer w30: R28.2@2010,3316.42 2012.95,3316.42 2013.7,3315.67 2013.7,3312.72 2051.42,3275 U8.3@2115,3275
NetR30_2: R30.2 U9.1 | length 107.3
  Top Layer w30: U9.1@2215,3105 2215,3091.22 2246.89,3059.33 2294.25,3059.33 R30.2@2295,3058.58
NetR32_2: R32.2 U9.3 | length 121.8
  Top Layer w30: R32.2@2010,2796.42 2012.95,2796.42 2013.7,2795.67 2013.7,2792.72 2046.42,2760 U9.3@2115,2760
NetR34_2: R34.2 U10.1 | length 107.3
  Top Layer w30: U10.1@2215,2590 2215,2576.22 2247.64,2543.58 R34.2@2295,2543.58
NetR35_2: R35.2 U10.3 | length 121.4
  Top Layer w30: R35.2@2010,2280.43 2012.95,2280.43 2013.7,2279.68 2013.7,2276.73 2045.43,2245 U10.3@2115,2245
NetR38_2: R38.2 U11.1 | length 107.3
  Top Layer w30: U11.1@2215,2075 2215,2061.22 2246.89,2029.33 2294.25,2029.33 R38.2@2295,2028.58
NetR39_2: R39.2 U11.3 | length 121.4
  Top Layer w30: R39.2@2010,1765.43 2012.95,1765.43 2013.7,1764.68 2013.7,1761.73 2045.43,1730 U11.3@2115,1730
NetSW2_4: SW2.4
NetSW2_5: SW2.5
NetSW3_4: SW3.4
NetSW3_5: SW3.5
NetSW4_4: SW4.4
NetSW4_5: SW4.5
NetSW5_4: SW5.4
NetSW5_5: SW5.5
NetU1_22: U1.22
NetU3_6: U3.6
NetU3_8: U3.8
NetU3_9: U3.9
NetU3_10: U3.10
NetU3_11: U3.11
NetU3_12: U3.12
NetU3_13: U3.13
NetU3_14: U3.14
NetU3_19: U3.19
NetU3_24: U3.24
NetU3_27: U3.27
NetU3_28: U3.28
NetU4_3: U4.3 U4.8 | length 356.9
  Top Layer w20: U4.8@3470,3233.7 3470,3305 3505,3340 3610,3340 3670,3400 U4.3@3670,3446.3
NetU4_12: U4.12 U5.2 U5.3 | length 446.2
  Top Layer w20: U4.12@3670,3233.7 3670,3290 3720.72,3340.72 3874.28,3340.72 3915,3300 3915,3242.95 ; U5.2@3890,3242.95 3915,3242.95 ; U5.3@3940,3242.95 3915,3242.95
RS485_A+: F1.2 P5.2 R12.2 | length 178
  Top Layer w30: F1.2@4377.68,3315 4390.67,3327.99 4390.67,3330.66 4390.67,3414.25 R12.2@4391.42,3415
  Top Layer w60: F1.2@4390.67,3330.66 4456.8,3330.66 P5.2@4461.14,3335
RS485_B-: F2.2 P5.3 R12.1 | length 223.3
  Top Layer w30: R12.1@4318.58,3415 4319.33,3415.75 4319.33,3449.43 4336.9,3467.01 4363.15,3467.01 4377.68,3481.54 F2.2@4377.68,3485 ; F2.2@4377.68,3515 F2.2@4377.68,3485 ; P5.3@4461.14,3485 F2.2@4377.68,3485
RS485_COM: D5.1 D7.2 P5.1 | length 461.6
  Top Layer w30: D5.1@4100,3146.02 4100,3124.37 4144.37,3080 4291.28,3080 4308.86,3097.57 4308.86,3126.54 4330.79,3148.46 D7.2@4352.44,3148.46
  Top Layer w60: D7.2@4352.44,3148.46 4424.6,3148.46 P5.1@4461.14,3185
pads on no net: H1.0 H2.0 H3.0 H4.0 JACK-DC1.0 SW2.18 SW2.19 SW3.18 SW3.19 SW4.18 SW4.19 SW5.18 SW5.19

## Polygon pours and split planes (outlines as drawn)
GND on Top Layer "GND_L01_P010" (solid, remove dead copper, pour order 10): 2368.25,1595 4785,1595 4785,3670 2368.25,3670 2368.25,3265
GND on Top Layer "GND_L01_P012" (solid, remove dead copper, pour order 12): 2080,3530 2335,3275 2335,1955 2265,1885 2265,1660 1865,1660 1865,1790 2050,1790 2050,2150 1865,2150 1865,2305 2050,2305 2050,2660 1865,2660 1865,2820 2050,2820 2050,3175 1865,3175 1865,3340 2045,3340 2045,3670 2080,3670 2045,3670 2080,3670
GND on Top Layer "GND_L01_P008" (solid, remove dead copper, pour order 8): 2610,3190 2450,3190 2240,3400 2240,3675 2610,3675
12V on Top Layer "12V_L01_P000" (solid, remove dead copper, pour order 0): 2630,3085 2805,3085 2805,2955 2630,2955
5V on Top Layer "5V_L01_P003" (solid, remove dead copper, pour order 3): 3150,2720 3150,3080 3375,3080 3395,3060 3395,2940 3275,2940 3245,2910 3245,2720
NetC16_2 on Top Layer "NETC16_2_L01_P002" (solid, remove dead copper, pour order 2): 2815,2875 2870,2875 2895,2900 2895,2950 3090,2950 3090,2720 3000,2720 3000,2815 2975,2840 2815,2840
NetF3_1 on Top Layer "NETF3_1_L01_P001" (solid, remove dead copper, pour order 1): 3040,3515 3040,3025 2970,2955 2905,2955 2905,3515
GND on Bottom Layer "GND_L02_P009" (solid, remove dead copper, pour order 9): 2368.25,1595 4785,1595 4785,3670 2368.25,3670 2368.25,3265
GND on Bottom Layer "GND_L02_P011" (solid, remove dead copper, pour order 11): 2300,3515 2300,3380 2125,3380 2040,3465 2040,3515

## Keep-outs
Keep-Out Layer:
  lines w5: 1140,1600 1141.95,1601.95 3585,1601.95 ccw(c3585,1651.95) 3635,1651.95 3635,1805 cw(c3685,1805) 3685,1855 4295,1855 cw(c4295,1805) 4345,1805 4345,1650 ccw(c4395,1650) 4395,1600 4735,1600 ccw(c4735,1650) 4785,1650 4785,3620 4785,3625 ccw(c4735,3625) 4735,3675 1140,3675 1140,1600 ; 1730,2020 1730,2137.5 2040,2137.5 2040,1795 1810,1795 1810,1930 1920,1930 1920,1830 1930,1820 2015,1820 2025,1830 2025,2120 2015,2130 1930,2130 1920,2120 1920,2020 1730,2020 ; 1730,2535 1730,2652.5 2040,2652.5 2040,2310 1810,2310 1810,2445 1920,2445 1920,2345 1930,2335 2015,2335 2025,2345 2025,2635 2015,2645 1930,2645 1920,2635 1920,2535 1730,2535 ; 1730,3050 1920,3050 1920,3150 1930,3160 2015,3160 2025,3150 2025,2860 2015,2850 1930,2850 1920,2860 1920,2960 1810,2960 1810,2825 2040,2825 2040,3167.5 1730,3167.5 1730,3050 ; 1730,3555 1730,3682.5 2040,3682.5 2040,3345 1810,3345 1810,3470 1920,3470 1920,3375 1930,3365 2015,3365 2025,3375 2025,3665 2015,3675 1930,3675 1920,3665 1920,3555 1730,3555

## Silkscreen, mask and mechanical layers (free items; w line width, h text height)
Bottom Overlay:
  text "NC" at 1300,3500 h80
  text "COM" at 1340,3365 h80
  text "NO" at 1302.5,3325 h80 r180
  text "1" at 1520,3215 h210
  text "NC" at 1300,2985 h80
  text "COM" at 1340,2850 h80
  text "NO" at 1302.5,2810 h80 r180
  text "2" at 1520,2700 h210
  text "NC" at 1300,2470 h80
  text "COM" at 1340,2335 h80
  text "NO" at 1302.5,2295 h80 r180
  text "3" at 1520,2185 h210
  text "NC" at 1300,1955 h80
  text "COM" at 1340,1820 h80
  text "NO" at 1302.5,1780 h80 r180
  text "4" at 1520,1670 h210

## Text inside footprints (layer, text, board x,y; h text height)
C14: Top Overlay "+" at 2743.86,2970.32 h48
C17: Top Overlay "+" at 3425,3040 h25 r90
C18: Top Overlay "+" at 3130,2980 h25 r270
D2: Top Overlay "+" at 2745,2065 h30 r180
D3: Top Overlay "+" at 2695,2065 h30 r180
D4: Top Overlay "+" at 3480,3630 h30 r180
D8: Top Overlay "+" at 3675,3630 h30 r180
D11: Top Overlay "+" at 3560,3105 h25 r180
D12: Top Overlay "+" at 3790,2975 h30 r90
D16: Top Overlay "+" at 3485,1975 h25
D17: Top Overlay "+" at 3485,2090 h25
J1: Top Courtyard "PCB Edge" at 3098.82,1585.08 h16
RL1: Top Overlay "COM" at 2009.58,3475.05 h50 r90; Top Overlay "NC" at 1590.26,3560.21 h40 r315; Top Overlay "NO" at 1574.79,3485.26 h40 r45
RL2: Top Overlay "NO" at 1574.79,2970.26 h40 r45; Top Overlay "NC" at 1590.26,3045.21 h40 r315; Top Overlay "COM" at 2009.58,2960.05 h50 r90
RL3: Top Overlay "COM" at 2009.58,2445.05 h50 r90; Top Overlay "NC" at 1590.26,2530.21 h40 r315; Top Overlay "NO" at 1574.79,2455.26 h40 r45
RL4: Top Overlay "NO" at 1574.79,1940.26 h40 r45; Top Overlay "NC" at 1590.26,2015.21 h40 r315; Top Overlay "COM" at 2009.58,1930.05 h50 r90